# Allegro board trx_layout.brd (continued)
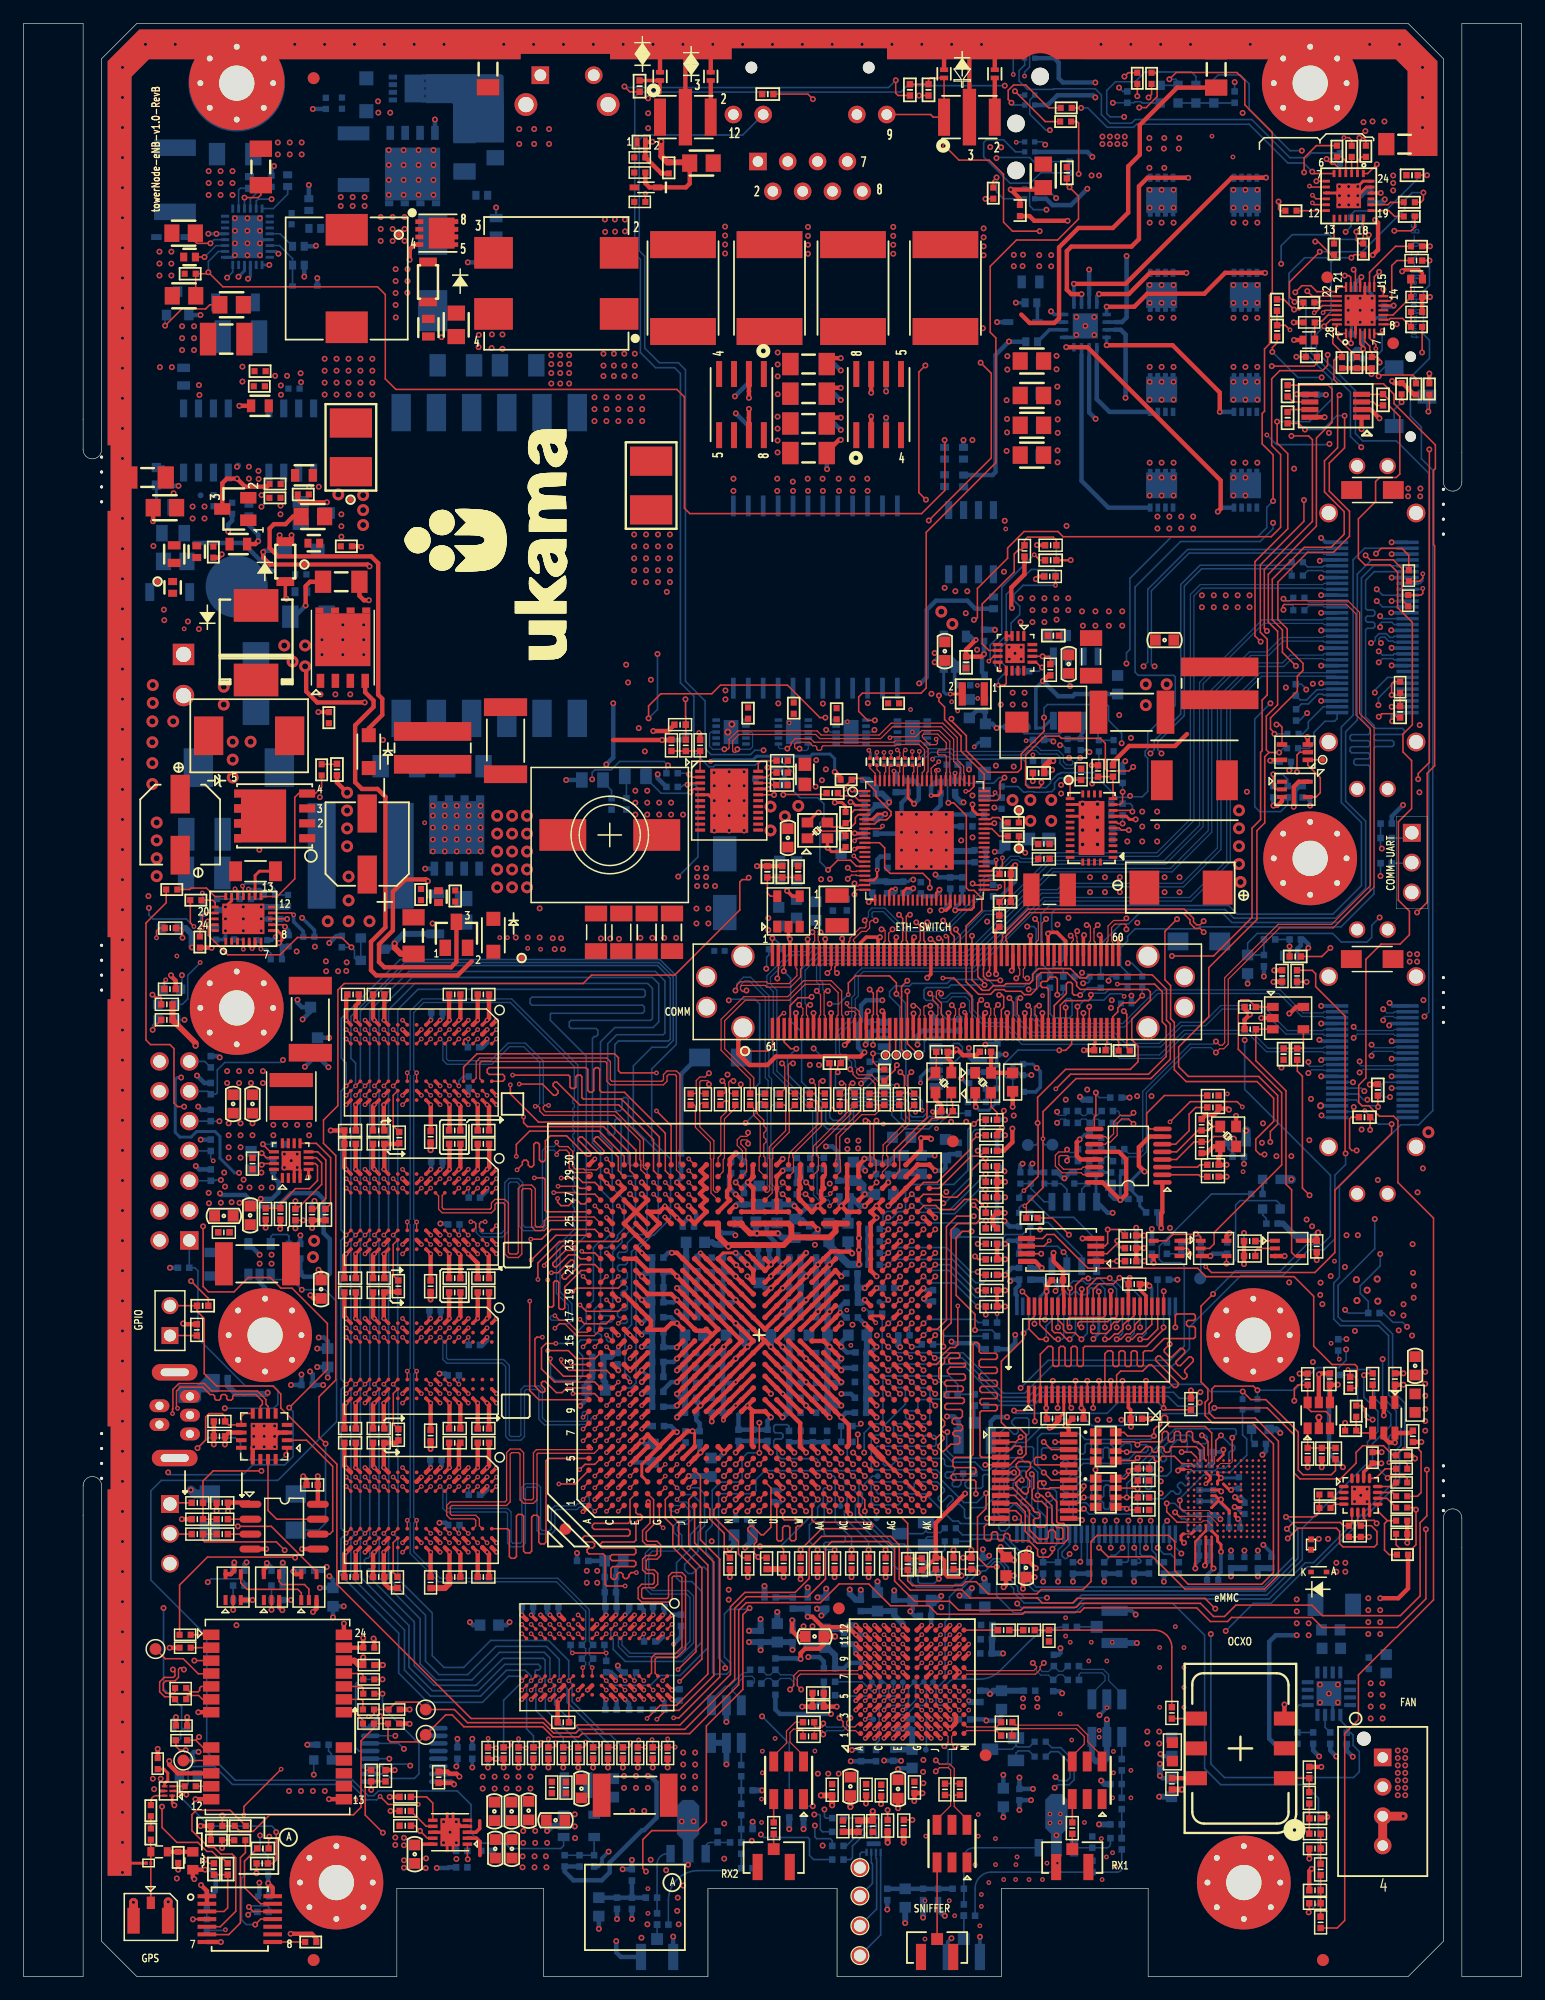
[diagram p0: board, top side]
## Routing (per net, layer and track width the routed paths; a pad name or vN(x,y) marks a point on that pad's centre or on a via; arc(x,y) is an arc through that point) (continued)
  L3-SIGNAL w0.127: v1(80.8,88.61) 81.58,87.83 93.7,87.83 95.41,89.53 95.41,93.5 92.82,96.08 92.82,99.08 v1(94.27,100.53) ; v1(109.3,64.45) 110.36,64.45 110.85,63.95 110.85,60.75 109.92,59.82 109.92,57.27 110.5,56.69 110.5,54.8 v2(111.39,53.92) ; v2(29.39,22.12) 29.39,18.35 28.71,17.67 21.96,17.67 v2(21.95,17.65) ; v1(119.55,43.15) 116.92,43.15 v2(116.31,43.77) ; v2(18.77,13.77) 18.77,12.8 v1(16.92,10.95) ; v1(10.68,90.99) 10.43,90.73 10.43,54.06 11.18,53.31 13.57,53.31 15.73,51.16 15.73,42.77 15.29,42.34 11.68,42.34 10.52,41.18 10.52,10.89 v1(13.06,8.35)
  L6-SIGNAL w0.127: v2(85.29,65.61) 87.28,65.61 91.67,70 103.86,70 109.3,64.56 v1(109.3,64.45) ; v1(16.92,10.95) 15.78,10.95 13.18,8.35 v1(13.06,8.35) ; v2(111.39,53.92) 112.19,54.72 113,54.72 115.15,52.57 v1(115.78,52.57) ; v1(107.14,145.83) 106.78,145.48 106.78,139.73 105.9,138.84 105.9,137.55 v1(106.33,137.12) 106.33,133.46 105.31,132.44 105.31,130.96 105.66,130.61 105.66,124.57 v1(106.45,123.78) ; v1(114.6,148.28) 116.42,148.28 v1(116.77,148.64)
  BOTTOM w0.137: v2(86.85,71.34) 86.85,70.96 86.99,70.83 TP21.1 ; v1(10.68,90.99) 10.68,90.37 11.01,90.04 13.88,90.04 v2(14.52,89.4) ; R697.1 84.71,101.32 85.19,100.84 85.44,100.84 85.48,100.88 86.06,100.88 86.1,100.84 87.22,100.84 87.26,100.88 87.59,100.88 87.83,101.12 87.83,101.62 88.25,102.05 91.52,102.05 93.17,100.4 94.14,100.4 v1(94.27,100.53) 94.35,100.45 95.31,100.45 95.77,100.91 95.77,103.73 95.55,103.95 95.55,104.33 95.77,104.55 95.77,105.89 98.11,108.23 98.11,110.65 97.98,110.79 94.97,110.79 94.69,111.07 94.69,118.3 98.56,122.18 105.35,122.18 106.45,123.28 v1(106.45,123.78) ; v2(85.29,65.61) 85.23,65.67 85.03,65.67 84.83,65.46 R364.2 ; v1(107.14,145.83) 107.14,147.37 108.08,148.31 111.24,148.31 111.65,147.91 114.23,147.91 v1(114.6,148.28) ; v2(116.31,43.77) 116.31,45.96 116.94,46.59 116.94,48.16 115.78,49.32 v1(115.78,52.57)
MB_I2C_SDA_3P3: length 463.8
  TOP w0.137: R636.1 119.04,151.07 119.25,151.28 v1(119.25,151.89) ; v1(116.2,42.45) 116.4,42.65 117.6,42.65 117.88,42.37 R171.2 ; v2(85.22,66.91) 86.43,68.12 86.43,72.64 v1(86.39,72.68) 86.39,74.85 88.78,77.24 94.29,77.24 94.95,77.9 94.95,79.22 94.41,79.76 94.41,81.53 95.99,83.11 95.99,83.84 95.78,84.05 90.02,84.05 89.72,84.35 89.72,84.65 88.89,85.48 86.67,85.48 86.31,85.11 86.31,84.1 85.81,83.6 85.27,83.6 84.98,83.89 83.68,83.89 83.54,84.02 82.77,84.02 82.38,83.63 81.36,83.63 80.3,84.69 J4.34 80.3,89.44 81.63,90.78 81.63,91.82 80.97,92.48 80.52,92.48 80.31,92.69 80.31,98.86 79.24,99.93 v1(78.79,99.93) ; v1(110.42,146.86) 107.84,144.28 107.84,143.01 v1(108.27,142.58) ; v1(16.95,13.71) 16.94,13.7 R626.2 16.95,12.83 R623.1 18.46,12.36 19.57,12.36 20.98,13.77 28.1,13.77 28.76,14.42 28.76,20.07 29.87,21.18 R212.1 R213.2 31.05,20.2 31.27,19.98 33.67,19.98 TP19.1 35.97,22.28 36.51,22.28 37.52,21.26 44.23,21.26 45.09,20.41 47.31,20.41 47.58,20.68 56.75,20.68 60.93,24.85 60.93,31.18 61.58,31.83 67.88,31.83 69.48,33.43 72,33.43 73.87,31.56 77.13,31.56 77.85,30.85 85.1,30.85 85.29,31.03 90,31.03 90.36,31.39 99.94,31.39 101.1,30.23 102.57,30.23 102.91,30.57 109.79,30.57 110.64,29.72 117.02,29.72 119.46,32.16 v1(119.46,38.07) ; v1(106.79,132.39) 106.79,130.57 107.7,129.66 107.7,123.27 104.91,120.47 104.91,114.14 v1(105.39,113.66) ; v1(22.64,48.43) 25.89,51.68 25.89,55.6 22.87,58.62 21.93,58.62 21.03,59.51 19.15,59.51 17.94,58.29 15.75,58.29 15.3,58.74 v1(15.3,63.87) ; R654.1 12.16,91.43 10.44,89.71 10.44,79.74 10.82,79.35 12.47,79.35 12.82,79.01 12.82,74.38 13.14,74.07 v1(13.68,74.07) ; v2(112.83,51.68) 113.01,51.5 R630.1
  L3-SIGNAL w0.127: v2(103.89,68.53) 101.83,70.59 94.64,70.59 90.97,66.91 v2(85.22,66.91) ; v1(109.77,63.88) 109.53,63.63 109.53,57.2 110.17,56.56 110.17,53.67 112.16,51.68 v2(112.83,51.68) ; v1(116.2,42.45) 117.76,40.89 117.76,39.78 v1(119.46,38.07) ; v1(13.68,74.07) 13.12,74.07 12.86,73.8 12.86,64.44 13.42,63.87 v1(15.3,63.87)
  L6-SIGNAL w0.127: v2(103.89,68.53) 104.52,68.53 109.14,63.91 109.74,63.91 v1(109.77,63.88) ; v1(78.79,99.93) 78.79,99.64 79.62,98.81 80.83,98.81 81.53,99.51 81.53,100.82 81.53,102.5 87.08,108.05 88.42,108.05 93.29,112.91 94.03,112.91 94.91,113.8 105.24,113.8 v1(105.39,113.66) ; v1(16.95,13.71) 16.95,16.28 14.33,18.9 14.33,19.48 10.85,22.96 10.85,41.45 v1(12.32,42.92)
  BOTTOM w0.137: v1(106.79,132.39) 109.54,132.39 111.46,134.32 111.46,135.97 109.24,138.18 109.24,142.31 R632.2 108.97,142.58 108.28,142.58 v1(108.27,142.58) ; TP22.1 86.25,70.8 86.39,70.94 v1(86.39,72.68) ; v1(22.64,48.43) 22.96,48.11 22.96,44.27 22.25,43.56 19.53,43.56 18.69,42.72 12.52,42.72 v1(12.32,42.92) ; R357.2 84.83,66.52 v2(85.22,66.91) ; v2(112.83,51.68) 114.7,51.68 115.09,51.29 115.09,49.26 116.48,47.87 116.48,46.91 114.92,45.36 114.92,43.73 v1(116.2,42.45) ; v1(78.79,99.93) 78.72,100 78.72,101.88 78.63,101.96 R698.1 ; v1(119.25,151.89) 118.29,151.89 117.67,151.27 117.67,150.48 114.04,146.86 v1(110.42,146.86)
MB_I2C_SWITCH_RST: length 245.1
  TOP w0.137: U21.1 111.98,139.9 v2(111.96,139.88) 111.96,139.52 R696.2 ; v1(11.8,14.46) 11.8,12.69 13.07,11.42 14.85,11.42 15.62,10.65 16.07,10.65 16.65,10.07 16.96,10.07 R676.2
  L3-SIGNAL w0.127: v1(51.5,110.18) 50.56,111.12 50.56,123.89 51.18,124.51 86.65,124.51 87.65,125.51 104.86,125.51 105.92,126.57 v2(105.92,131.26) ; v1(11.8,14.46) 11.8,15.13 12.27,15.6 12.27,17.37 10.93,18.71 10.93,41.13 11.79,41.99 15.45,41.99 16.66,43.2 16.66,50.7 14.74,52.62 14.74,60.68 17.26,63.21 17.26,66.68 17.61,67.04 17.61,68.87 16.17,70.32 16.17,78.37 11.66,82.88 11.66,83.79 10.77,84.69 10.77,90.24 12.14,91.62 15.27,91.62 19.46,95.81 19.46,96.09 20.08,96.71 20.08,99.79 21.16,100.86 25.98,100.86 26.73,100.1 29.48,100.1 30.63,101.25 v1(30.63,105.29)
  L6-SIGNAL w0.127: v1(111.25,130.49) 109.81,131.93 109.81,138.42 111.28,139.88 v2(111.96,139.88) ; v1(51.5,110.18) 51.5,108.35 48.43,105.29 v1(30.63,105.29)
  BOTTOM w0.137: v1(111.25,130.49) 111.18,130.43 106.75,130.43 v2(105.92,131.26)
MB_INT_3P3: length 239.1
  TOP w0.137: v1(19.74,4.42) 20.21,4.89 U87.11 ; v2(87.94,75.58) 89.19,76.83 95.83,76.83 97.34,78.33 97.34,80.95 97.01,81.28 97.01,83.85 96.35,84.5 v2(93.18,84.5) ; R638.2 v1(19.85,8.79) ; v1(89.79,82.59) J4.113 ; v2(103.83,74.04) 103.39,74.49 99.39,74.49 v2(97.67,72.77)
  L3-SIGNAL w0.127: v2(97.67,72.77) 97.67,72.77 96.78,71.88 92.19,71.88 88.49,75.58 v2(87.94,75.58)
  L3-SIGNAL w0.137: v1(20.16,12.01) 18.24,10.09 18.24,4.09 20.05,2.28 29.89,2.28 31.22,3.61 31.22,8.14 31.53,8.46 59.21,8.46 61.37,10.62 91.88,10.62 92.57,11.31 96.07,11.31 102.41,17.65 v1(102.41,29.42)
  L4-PWR1 w0: v2(93.18,84.5) 93.37,84.5 93.76,84.11
  L4-PWR1 w0.137: 93.76,84.11 v2(93.76,83.46)
  L6-SIGNAL w0.127: v2(103.83,74.04) 104.73,73.15 104.73,70.97 105.2,70.5 108.29,70.5 114.29,64.5 v1(115.11,64.5)
  BOTTOM w0.137: v1(89.79,82.59) 89.81,82.59 90.36,83.14 92.03,83.14 92.57,83.67 93.54,83.67 v2(93.76,83.46) ; v1(20.16,12.01) 20.16,10.93 20.84,10.25 R620.1 19.99,9.63 19.85,9.49 v1(19.85,8.79) 19.01,8.79 18.57,8.36 18.57,4.82 18.97,4.42 v1(19.74,4.42) ; v1(115.11,64.5) 115.11,61.97 111.99,58.85 111.99,56.17 112.36,55.8 115.53,55.8 116.63,54.7 116.63,49.87 117.68,48.81 117.68,45.11 117.22,44.64 117.22,42.08 110.03,34.89 109.39,34.89 106.28,31.78 104.76,31.78 v1(102.41,29.42)
MB_POWER_OK: length 150.2
  TOP w0.137: v1(65.84,78.99) 65.36,78.99 64.8,79.56 J4.63 ; v1(115.39,74.04) 115.37,74.07 R11.1
  L3-SIGNAL w0.127: v1(65.84,78.99) 66.63,79.79 73.65,79.79 75.59,77.85 76.82,77.85 78.66,76 90.33,76 90.4,76.07 105.57,76.07 109.76,71.88 112.09,71.88 112.52,71.45 114.84,71.45 115.16,71.77 115.16,73.81 v1(115.39,74.04)
  L6-SIGNAL w0.127: v1(115.39,74.04) 115.93,74.57 115.93,76.76 116.42,77.25 116.99,77.82 116.99,83.01 115.94,84.06 115.94,87.01 114.64,88.31 114.64,90.11 113.96,90.79 113.96,98 108.49,103.48 108.49,109.94 109.71,111.17 115.55,111.17 116.1,111.72 116.1,113.7 116.07,113.73 116.07,116.32 v1(115.28,117.11)
  BOTTOM w0.137: v1(115.39,74.04) 115.29,74.14 114.02,74.14 113.52,74.64 J16.37 ; v1(115.28,117.11) 115.78,116.61 J13.12 ; U58.4 78.97,79.16 79.25,79.45 79.68,79.45 79.98,79.15 79.98,78.52 78.67,77.21 78.67,73.75 77.81,72.89 77.32,72.89 76.94,72.52 76.44,72.52 75.36,72.52 74.78,73.1 74.78,73.94 74.49,74.23 72.28,74.23 72.21,74.16 71.01,74.16 70.7,73.85 70.7,72.65 70.22,72.16 68.48,72.16 67.99,72.65 67.99,73.91 65.08,76.82 65.08,78.24 v1(65.84,78.99)
MB_POWER_OK_3V3: length 3.4
  TOP w0.137: R481.1 73.01,77.23 72.37,77.87 v1(72.37,78.59)
  BOTTOM w0.137: v1(72.37,78.59) 73.21,78.59 73.34,78.72 U58.5
MMC_ISOLATE#: length 54
  TOP w0.137: U27.23 v1(87.88,45.51) ; v1(108.25,49.02) 108.25,49.25 108.26,49.25 108.26,50.06 108.56,50.37 R161.1 U24.6 109.39,48.4 109.68,48.11 110.95,48.11 111.29,47.77 U24.3
  L6-SIGNAL w0.127: v1(87.88,45.51) 88.6,46.23 95.06,46.23 97.84,43.44 97.84,40.4 98.54,39.71 98.54,39.34 98.28,39.08 97.91,39.08 97.74,39.25 97.12,39.25 96.85,38.98 96.85,37.19 97.13,36.91 97.13,35.86 97.51,35.48 107.39,35.48 108.25,36.34 v1(108.25,49.02)
MODULE_SAFEBOOT_N: length 173.4
  TOP w0.137: v1(90.78,82.58) 90.79,82.57 J4.115 ; R202.2 13.29,33.33 15.68,35.72 23.09,35.72 v1(23.14,35.66)
  L3-SIGNAL w0.127: v1(90.78,82.58) 90.28,83.08 87.25,83.08 v2(86.81,83.52) ; v1(83.51,73.72) 82.23,73.72 81.66,73.15 80.66,73.15 79.8,74.02 78.16,74.02 77.7,74.47 75.81,74.47 75.2,73.87 75.2,73.68 75.19,73.67 75.19,72.77 75.14,72.73 75.14,72.73 73.29,70.88 73.29,70.88 72.32,69.9 72.32,69.69 71.77,69.14 70.31,69.14 v1(68.68,67.51)
  L6-SIGNAL w0.127: v2(86.81,83.52) 85.39,83.52 84.76,84.15 83.08,84.15 82.35,84.87 81.56,84.87 81.14,84.46 81.14,82.97 81.3,82.81 81.3,81.91 82.98,80.23 82.98,78.2 86.08,75.11 89.23,75.11 89.41,74.92 89.41,74.36 89.23,74.17 85.26,74.17 84.84,74.6 84.03,74.6 83.51,74.09 v1(83.51,73.72) ; v1(23.14,35.66) 22.93,35.87 22.93,43.09 23.75,43.92 23.75,49.48 26.01,51.74 26.01,71.26 25.12,72.14 25.12,82.12 31.53,88.53 32.02,88.53 32.61,87.94 46.56,87.94 57.05,77.45 57.05,76.01 57.88,75.18 61.55,75.18 68.68,68.05 v1(68.68,67.51)
MODULE_UART_RX: length 13.3
  TOP w0.137: R207.1 v1(30.58,24.08)
  BOTTOM w0.137: U68.2 30.91,17.25 31.3,16.87 33.3,16.87 33.68,17.25 33.68,19.84 30.58,22.94 v1(30.58,24.08)
MODULE_UART_TX: length 9.9
  TOP w0.137: R205.1 v1(30.58,25.3)
  BOTTOM w0.137: v1(30.58,25.3) 28.65,25.3 28.3,24.94 28.3,19.48 28.58,19.2 29.53,19.2 U68.5
MPG: length 14.6
  TOP w0.137: R236.2 33.34,12.84 v1(33.78,12.4) 34.4,11.78 U42.9
  L3-SIGNAL w0.127: v1(24.73,17.18) 26.2,17.18 v2(28.32,15.06)
  L6-SIGNAL w0.127: v1(33.78,12.4) 32.78,13.4 29.98,13.4 v2(28.32,15.06)
  BOTTOM w0.137: LED5.1 v1(24.73,17.18)
NO_CPU: length 15.7
  TOP w0.137: U243.45 82.97,92.53 83.12,92.69 83.12,92.78 v2(83.15,92.81)
  L6-SIGNAL w0.127: v2(85.99,104.02) 85.99,102.42 85.07,101.51 85.07,98.11 85.78,97.41 85.78,95.28 84.67,94.18 84.52,94.18 v2(83.15,92.81)
  BOTTOM w0.137: v2(83.15,92.81) 83.02,92.95 R706.1 ; R705.2 85.99,104.01 v2(85.99,104.02)
P0_MODE_0: length 16.9
  TOP w0.137: U243.48 83,93.73 R700.1 83.14,94.31 83.39,94.56 v2(83.39,95.25)
  L3-SIGNAL w0.127: v2(85.41,105.22) 85.41,103.7 87.35,101.75 87.35,101.32 86.74,100.71 86.74,99.77 86.24,99.26 84.51,99.26 83.39,98.15 v2(83.39,95.25)
  BOTTOM w0.137: v2(85.41,105.22) 85.47,105.29 R699.2
P0_MODE_1: length 4.9
  TOP w0.137: U243.47 83.45,93.33 83.58,93.2 83.58,91.95 R702.1 83.12,91.49 R701.2
P0_MODE_2: length 16.1
  TOP w0.137: v1(85.98,101.78) 85.98,101.78 85.98,102.47 R703.2 ; v1(80.85,93.06) 80.98,92.93 U243.46
  L6-SIGNAL w0.127: v1(85.98,101.78) 85.98,101.75 86.47,101.26 86.47,95.51 83.38,92.42 81.5,92.42 v1(80.85,93.06)
  BOTTOM w0.137: R704.1 85.98,101.78 v1(85.98,101.78)
P5_SMODE: length 9.7
  TOP w0.137: U243.8 72.51,98.13 72.86,98.48 73.51,98.48 73.57,98.54 73.58,98.54 73.84,98.8 73.84,98.81 73.9,98.88 73.9,99.18 73.55,99.53 73.55,99.53 73.29,99.79 73.29,99.8 72.61,100.47 72.61,100.89 71.49,102.02 70.66,102.02 R693.2 70,101.35 v2(70,101.1)
  BOTTOM w0.137: R694.1 70.56,101.87 70,101.32 v2(70,101.1)
PA_ETH_D0N: length 28.5
  TOP w0.107: v1(60.81,104.49) 60.81,104.38 60.67,104.24 60.52,104.24 60.41,104.35 60.41,105.21 60.96,105.75 67.47,105.75 67.83,105.4 73.02,105.4 74.03,106.41 78.18,106.41 79.24,105.35 79.24,103.47 79.79,102.92 79.79,102.48 79.75,102.44 U243.70
  BOTTOM w0.107: v1(60.81,104.49) 61.9,104.49 62.11,104.71 62.11,105.85 62,105.96 U55.3
PA_ETH_D0P: length 29
  TOP w0.107: v1(59.71,104.49) 60,104.49 60.11,104.6 60.11,105.33 60.83,106.06 67.6,106.06 67.95,105.71 72.9,105.71 73.9,106.72 78.31,106.72 79.54,105.48 79.54,103.59 80.09,103.04 80.09,102.46 80.15,102.4 U243.69
  BOTTOM w0.107: U55.8 58.58,105.96 58.45,105.83 58.45,104.75 58.7,104.49 v1(59.71,104.49)
PA_ETH_D1N: length 9
  TOP w0.107: U243.73 78.55,102.5 78.61,102.55 78.61,103.9 78.5,104.01 77.97,104.01 77.86,104.11 77.86,104.33 77.96,104.43 78.5,104.43 78.61,104.54 78.61,105.05 77.87,105.79 76.68,105.79 76.57,105.68 76.57,105.53 77.21,104.89 77.74,104.89 77.85,105 77.85,105.25 v2(77.75,105.36)
PA_ETH_D1P: length 9.1
  TOP w0.107: v2(73.81,105.48) 73.89,105.56 75.99,105.56 76.53,106.09 78,106.09 78.91,105.18 78.91,102.54 78.95,102.5 U243.72
PA_ETH_D2N: length 18
  TOP w0.107: U243.76 77.35,102.46 77.32,102.49 77.32,102.86 77.61,103.15 77.68,103.15 v2(77.97,103.44)
  L6-SIGNAL w0.095: v1(72.49,106.14) 72.49,105.93 72.29,105.73 71.18,105.73 70.94,105.98 70.94,107.25 71.09,107.4 73.88,107.4 74.46,106.83 77.08,106.83 78.38,105.53 78.38,104.56 78.28,104.47 77.81,104.47 77.72,104.37 77.72,104.18 77.81,104.09 78.28,104.09 78.38,103.99 78.38,103.43 78.22,103.28 78.12,103.28 v2(77.97,103.44)
  BOTTOM w0.107: U53.3 72.31,105.96 v1(72.49,106.14)
PA_ETH_D2P: length 18.1
  TOP w0.107: v2(77.94,102.72) 77.82,102.84 77.73,102.84 77.63,102.74 77.63,102.62 77.75,102.49 U243.75
  L6-SIGNAL w0.095: v2(77.94,102.72) 78.14,102.91 78.28,102.91 78.68,103.31 78.68,105.66 77.21,107.13 74.58,107.13 74,107.71 70.96,107.71 70.63,107.38 70.63,106.27 70.51,106.14 v1(68.38,106.14)
  BOTTOM w0.107: v1(68.38,106.14) 68.56,106.14 68.74,105.96 U53.8
PA_ETH_D3N: length 16.7
  TOP w0.107: v1(66.1,104.54) 65.8,104.55 65.69,104.65 65.69,104.92 65.87,105.1 66.92,105.1 67.23,104.79 67.47,104.79 67.57,104.68 67.57,104.51 67.68,104.41 67.89,104.41 68,104.51 68,104.68 68.11,104.79 74.25,104.79 74.37,104.9 76.29,104.9 76.75,104.45 76.75,102.7 76.55,102.5 U243.78
  BOTTOM w0.107: v1(66.1,104.54) 66.26,104.39 66.7,104.39 66.85,104.54 U54.10
PA_ETH_D3P: length 16.8
  TOP w0.107: U243.77 76.95,102.5 77.06,102.6 77.06,104.57 76.42,105.21 74.24,105.21 74.13,105.09 67.35,105.09 67.05,105.4 65.74,105.4 65.39,105.05 65.39,104.86 v1(65.07,104.55)
  BOTTOM w0.107: v1(65.07,104.55) 64.44,104.55 64.31,104.68 U54.1
PA_ETH_LED_G1: length 2.8
  BOTTOM w0.137: R713.2 80.83,74.46 81,74.63 81.51,74.63 81.68,74.46 R658.1 81.98,74.97 81.97,74.98 R655.2
PCIE0_CLKN: length 43.4
  TOP w0.107: v1(93.95,90.1) 93.76,89.91 92.86,89.91 92.39,89.44 92.39,88.18 92.29,88.09 J4.58 ; v1(69.69,76.06) 69.93,76.06 70.04,75.95 70.04,75.69 R118.1
  L6-SIGNAL w0.095: v1(69.69,76.06) 69.89,76.26 69.89,76.42 70.26,76.79 74.24,76.79 74.46,76.57 75.83,76.57 76.15,76.89 76.15,77.96 74.83,79.28 74.83,82.78 75.75,83.7 75.75,86.56 76.28,87.09 79.21,87.09 79.4,87.09 80.48,88.18 87.67,88.18 88.84,89.36 89.05,89.36 89.99,90.3 90.48,90.3 90.48,90.3 92.88,90.3 93.25,89.93 93.78,89.93 v1(93.95,90.1)
PCIE0_CLKP: length 43.4
  TOP w0.107: J4.59 92.79,88.09 92.69,88.18 92.69,89.31 92.99,89.61 93.84,89.61 93.95,89.5 v1(93.95,89.16) ; R119.1 70.35,75.62 70.35,75.95 70.45,76.06 v1(70.63,76.06)
  L6-SIGNAL w0.095: v1(93.95,89.16) 93.95,89.53 93.85,89.62 93.12,89.62 92.75,90 90.35,90 90.11,90 89.17,89.05 88.97,89.05 87.79,87.87 80.61,87.87 79.52,86.79 79.09,86.79 76.41,86.79 76.05,86.43 76.05,83.57 75.13,82.65 75.13,79.41 76.46,78.09 76.46,76.76 75.96,76.27 74.27,76.27 74.05,76.49 70.39,76.49 70.2,76.3 70.2,76.02 70.29,75.93 70.5,75.93 v1(70.63,76.06)
PCIE0_RXN: length 41.8
  TOP w0.107: C72.2 67.36,75.18 67.45,75.27 67.45,75.95 v1(67.15,76.25) ; v1(91.51,89.53) 91.19,89.21 91.19,88.98 91.19,88.85 91.19,88.18 91.29,88.09 J4.56
  L6-SIGNAL w0.095: v1(91.51,89.53) 91.23,89.25 91.23,88.45 90.01,87.22 80.88,87.22 79.62,85.96 78.13,85.96 77.79,85.63 77.79,84.75 77.28,84.24 77.1,84.24 76.72,83.85 76.72,79.89 77.16,79.45 77.16,75.75 76.5,75.09 67.77,75.09 67.34,75.53 67.34,76.07 v1(67.15,76.25)
PCIE0_RXP: length 41.7
  TOP w0.107: C73.2 67.88,75.18 67.76,75.3 67.76,76.22 67.86,76.33 68.02,76.33 v1(68.09,76.25) ; J4.55 90.79,88.09 90.89,88.18 90.89,88.85 90.89,89.1 90.89,89.42 90.78,89.53 v1(90.57,89.53)
  L6-SIGNAL w0.095: v1(90.57,89.53) 90.83,89.53 90.93,89.43 90.93,89.25 90.93,88.57 89.88,87.53 80.75,87.53 79.5,86.27 78,86.27 77.49,85.75 77.49,84.88 77.15,84.54 76.97,84.54 76.41,83.98 76.41,79.77 76.85,79.33 76.85,75.87 76.38,75.4 67.9,75.4 67.64,75.66 67.64,76.14 67.76,76.25 v1(68.09,76.25)
PCIE0_TXN: length 20.8
  TOP w0.107: J4.5 65.8,85.87 65.89,85.78 65.89,85.21 65.22,84.55 63.44,84.55 63.29,84.69 61.06,84.69 60.77,84.41 60.77,84.08 v1(60.65,83.96)
  BOTTOM w0.107: v1(60.65,83.96) 60.78,84.08 60.78,84.53 61.25,85 61.33,85.09 61.94,85.09 63.5,83.53 63.5,76.65 63.73,76.41 63.73,75.66 C243.1
PCIE0_TXP: length 20.7
  TOP w0.107: v1(61.59,83.96) 61.49,83.86 61.25,83.86 61.08,84.04 61.08,84.28 61.18,84.39 63.17,84.39 63.31,84.24 65.34,84.24 66.19,85.09 66.19,85.77 66.3,85.87 J4.6
  BOTTOM w0.107: C244.1 63.43,75.65 63.43,76.28 63.19,76.52 63.19,83.4 61.81,84.78 61.46,84.78 61.08,84.4 61.08,84.06 61.26,83.88 61.52,83.88 v1(61.59,83.96)
PCIE2_CLKN: length 69.6
  TOP w0.107: J4.66 66.3,81.79 66.4,81.88 66.4,82.41 v1(66.08,82.73)
  BOTTOM w0.107: J13.47 110.79,114.11 110.7,114.02 107.17,114.02 105.94,112.79 104.43,112.79 100.92,109.28 100.92,97.56 97.71,94.35 87.61,94.35 86.46,93.21 86.33,93.21 80.33,87.2 67.69,87.2 66.28,85.79 66.28,82.93 v1(66.08,82.73)
PCIE2_CLKP: length 69.5
  TOP w0.107: J4.67 66.8,81.79 66.7,81.88 66.7,82.62 66.81,82.73 v1(67.02,82.73)
  BOTTOM w0.107: J13.48 110.79,113.61 110.7,113.71 107.3,113.71 106.07,112.48 104.56,112.48 101.22,109.15 101.22,97.44 97.83,94.05 87.73,94.05 86.59,92.9 86.46,92.9 80.46,86.9 67.82,86.9 66.58,85.66 66.58,82.84 66.69,82.73 v1(67.02,82.73)
PCIE2_RXN: length 68.5
  TOP w0.107: v1(68.52,83.92) 68.31,83.92 68.2,83.81 68.2,81.88 68.3,81.79 J4.70
  BOTTOM w0.107: J13.51 110.79,112.11 110.7,112.21 108.04,112.21 107.37,111.54 104.79,111.54 102.01,108.76 102.01,95.97 98.82,92.78 88.72,92.78 88.18,92.23 86.73,92.23 80.73,86.23 68.1,86.23 67.86,86 67.86,84.82 68.1,84.59 68.1,84.03 68.2,83.92 v1(68.52,83.92)
PCIE2_RXP: length 68.6
  TOP w0.107: v1(67.58,83.92) 67.89,83.6 67.89,81.88 67.8,81.79 J4.69
  BOTTOM w0.107: J13.50 110.79,112.61 110.7,112.52 107.91,112.52 107.24,111.85 104.66,111.85 101.71,108.89 101.71,96.09 98.69,93.08 88.84,93.08 88.59,93.08 88.05,92.54 86.61,92.54 80.6,86.54 67.97,86.54 67.56,86.12 67.56,84.69 67.79,84.46 67.79,84.13 v1(67.58,83.92)
PCIE2_TXN: length 69.5
  TOP w0.107: v1(71.66,89.92) 71.77,89.81 71.77,89.39 71.66,89.29 71.26,89.29 70.39,88.42 70.39,88.18 70.3,88.09 J4.14
  BOTTOM w0.107: J13.38 110.79,118.61 110.7,118.52 100.24,118.52 99.4,117.68 99.4,98.55 96.53,95.68 86.78,95.68 86.29,95.19 85,95.19 84.81,95.38 84.07,95.38 82.52,93.82 82.1,93.82 81.51,93.24 81.51,92.31 78.49,89.29 75.06,89.29 73.37,90.97 72.27,90.97 71.98,90.69 71.98,90.24 v1(71.66,89.92)
PCIE2_TXP: length 69.4
  TOP w0.107: v1(72.6,89.92) 72.23,89.92 72.08,89.77 72.08,89.27 71.79,88.98 71.39,88.98 70.7,88.29 70.7,88.18 70.8,88.09 J4.15
  BOTTOM w0.107: J13.39 110.79,118.11 110.7,118.21 100.37,118.21 99.7,117.55 99.7,98.43 96.65,95.38 86.91,95.38 86.42,94.89 84.87,94.89 84.69,95.08 84.2,95.08 82.64,93.52 82.23,93.52 81.82,93.11 81.82,92.19 78.61,88.98 74.93,88.98 73.25,90.67 72.39,90.67 72.28,90.56 72.28,90.24 v1(72.6,89.92)
PCIE_REFCLKN: length 69.4
  TOP w0.107: v1(107.33,117.31) 107.5,117.15 112.82,117.15 113.82,116.15 113.82,107.55 115.05,106.31 115.05,92.77 111.57,89.29 107,89.29 102.63,84.91 102.63,79.38 102.24,78.99 101.89,78.99 v1(101.58,78.68)
  BOTTOM w0.107: v1(101.58,78.68) 101.16,79.09 99.5,79.09 95.65,75.24 95.65,70.21 95.22,69.78 94.13,69.78 C253.2 ; v1(107.33,117.31) 107.56,117.08 107.85,117.08 R283.2
PCIE_REFCLKP: length 69.3
  TOP w0.107: v1(101.58,79.62) 101.89,79.3 102.12,79.3 102.32,79.5 102.32,85.03 106.88,89.59 111.44,89.59 114.74,92.89 114.74,106.19 113.51,107.42 113.51,116.02 112.69,116.84 107.4,116.84 107.25,116.69 107.25,116.45 v1(107.33,116.37)
  BOTTOM w0.107: v1(101.58,79.62) 101.36,79.39 99.37,79.39 95.34,75.37 95.34,70.33 95.1,70.09 94.13,70.09 C250.2 ; v1(107.33,116.37) 107.26,116.45 107.26,116.67 107.36,116.78 108.06,116.78 108.17,116.67 R285.2
PCU_RXD: length 44.7
  TOP w0.137: J4.38 82.3,85.7 82.18,85.58 82.18,85.39 v1(82.22,85.34)
  L3-SIGNAL w0.127: v1(115.71,96.04) 115.71,94.58 111.24,90.11 108.17,90.11 101.88,83.82 97.59,83.82 97.39,84.02 92.16,84.02 91.17,85.01 89.09,85.01 88.62,84.54 84.38,84.54 83.14,85.79 82.66,85.79 v1(82.22,85.34)
  BOTTOM w0.137: v1(115.71,96.04) 115.7,96.04 115.6,96.14 R296.2 R295.2
PCU_TXD: length 44.1
  TOP w0.137: v1(83.21,84.82) 82.11,84.82 81.77,85.16 81.77,85.78 81.8,85.81 J4.37
  L3-SIGNAL w0.127: v1(115.6,93.7) 111.56,89.66 108.36,89.66 99.7,81 98.3,81 96.45,82.85 93.6,82.85 92.89,83.57 91.77,83.57 91.3,84.04 86.31,84.04 85.88,83.6 85.36,83.6 85.12,83.84 84.19,83.84 v1(83.21,84.82)
  BOTTOM w0.137: v1(115.6,93.7) 115.6,93.75 115.6,93.75 R298.2
PG: length 4.7
  BOTTOM w0.137: U45.20 21.81,147.38 22.92,146.27 R263.2 D18.1
POWER_EN: length 255.5
  TOP w0.137: v1(86.93,107.19) 86.93,106.03 84.99,104.09 84.99,102.84 84.69,102.54 82.15,102.54 80.32,104.37 80.32,105.65 79.05,106.92 v1(79.05,107.09) ; U5.4 107.21,106.39 106.99,106.6 v1(106.73,106.6)
  L3-SIGNAL w0.127: v1(20.09,95.94) 20.09,92.31 19.49,91.71 19.49,88.9 20.85,87.54 22.7,87.54 23.48,88.32 24.94,88.32 25.3,87.96 25.3,87.38 24.56,86.64 24.56,79.17 23.22,77.83 23.22,76.4 23.8,75.82 23.8,68.43 22.48,67.11 22.48,61.54 23.71,60.32 v1(23.71,58.48)
  L6-SIGNAL w0.127: v1(79.05,107.09) 77.53,108.61 73.64,108.61 73.05,109.21 62.09,109.21 59.9,107.01 57.89,107.01 54.9,104.02 v1(54.9,103.12) ; v1(20.09,95.94) 20.65,95.38 29.12,95.38 32.1,92.4 36.08,92.4 38.39,94.71 38.39,100.09 39.35,101.04 47.51,101.04 48.41,101.93 v1(48.44,101.93) ; v1(93.55,105) 93.55,106.21 93.94,106.6 v1(106.73,106.6)
  BOTTOM w0.137: v1(48.44,101.93) 48.44,102.51 48.67,102.74 50.07,102.74 50.78,103.45 54.57,103.45 v1(54.9,103.12) 54.77,102.99 R288.1 ; U69.1 46.01,11.14 45.77,10.9 41.48,10.9 41.02,11.35 38.99,11.35 38.13,12.22 38.13,14.63 36.96,15.8 30.23,15.8 29.82,15.39 29.37,15.39 28.04,16.71 18.03,16.71 15.61,19.14 15.61,29 10.85,33.76 10.85,41.35 11.74,42.24 21.67,42.24 26.67,47.24 26.67,57.48 25.68,58.48 v1(23.71,58.48) 22.85,59.34 21.2,59.34 21.07,59.47 U63.1 ; v1(93.55,105) 93.55,105.84 92.44,106.95 92.44,108.17 92.3,108.3 87.23,108.3 86.93,108.01 v1(86.93,107.19)
POWER_RECYCLE_H: length 136.4
  TOP w0.137: R5.2 93.99,79.09 93.99,81.93 v1(93.73,82.19)
  L3-SIGNAL w0.127: v1(77.35,109.22) 77.35,109.99 78.3,110.95 82.58,110.95 82.78,110.75 83.84,110.75 83.84,110.74 85.22,110.74 88.78,107.19 88.78,104.62 88.3,104.14 88.3,102.68 89.25,101.73 89.25,96.05 91.3,94 91.3,92.14 91.04,91.88 90.33,91.88 88.98,90.54 88.98,90.23 89.02,90.19 v1(89.02,90.14) ; v2(71.57,56.8) 70.82,57.56 70.82,59.72 61.19,69.34 61.19,72.35 v1(61.52,72.68)
  L6-SIGNAL w0.127: v1(89.02,90.14) 89.02,90.15 89.02,90.15 89.02,90.39 89.37,90.74 93.99,90.74 94.43,90.3 94.43,88.66 93.61,87.84 93.61,85.93 94.13,85.41 94.32,85.22 94.32,84.75 93.31,83.74 93.31,82.61 v1(93.73,82.19) ; v1(60.08,83.12) 59.79,83.41 59.79,94.31 57.25,96.85 57.25,99.77 54.28,102.74 54.28,103.89 57.74,107.34 59.64,107.34 61.88,109.58 73.21,109.58 73.83,108.97 77.09,108.97 v1(77.35,109.22)
  BOTTOM w0.137: v1(61.52,72.68) 62.41,73.57 62.41,75.77 62.71,76.07 62.71,82.81 62.31,83.22 60.18,83.22 v1(60.08,83.12) ; R395.2 71.83,56.8 v2(71.57,56.8)
PUSH_RESET: length 197.6
  TOP w0.137: v1(61.78,93.56) 61.78,93.55 61.62,93.4 61.22,93.4 61.02,93.2 61.02,90.81 55.48,85.27 48.39,85.27 47.67,84.55 27.33,84.55 26.78,84.01 26.78,74.15 25.56,72.92 25.56,70.94 26.6,69.89 26.6,50.79 25.17,49.36 25.17,45.92 v1(25.73,45.36)
  L3-SIGNAL w0.127: v1(82.09,89.82) 80.67,91.24 73.51,91.24 71.81,92.94 71.81,93.44 70.29,94.96 68.39,94.96 67.34,93.91 67.34,92 66.33,90.99 61.7,90.99 61.22,91.47 61.22,92.64 61.78,93.19 61.78,93.37 61.78,93.37 v1(61.78,93.56) ; v1(109.83,110.07) 109.07,110.07 106.95,107.95 105.95,107.95 99.57,101.58 v1(91.03,101.58)
  L6-SIGNAL w0.127: v1(82.09,89.82) 83.13,89.82 88.94,95.64 90.65,95.64 90.84,95.82 90.84,99.96 91.03,100.16 v1(91.03,101.58) ; v1(115.52,90.17) 114.62,91.07 114.62,98.34 110.01,102.95 110.01,109.9 v1(109.83,110.07)
  BOTTOM w0.137: R300.1 R303.2 C238.1 104.28,87.99 105.1,88.81 111.52,88.81 112.25,88.08 114.45,88.08 114.85,88.48 114.85,89.5 v1(115.52,90.17) ; v1(25.73,45.36) 25.73,38.61 25.14,38.01 SW1.3
